# KiCad board led_mapper_850.kicad_pcb (continued)
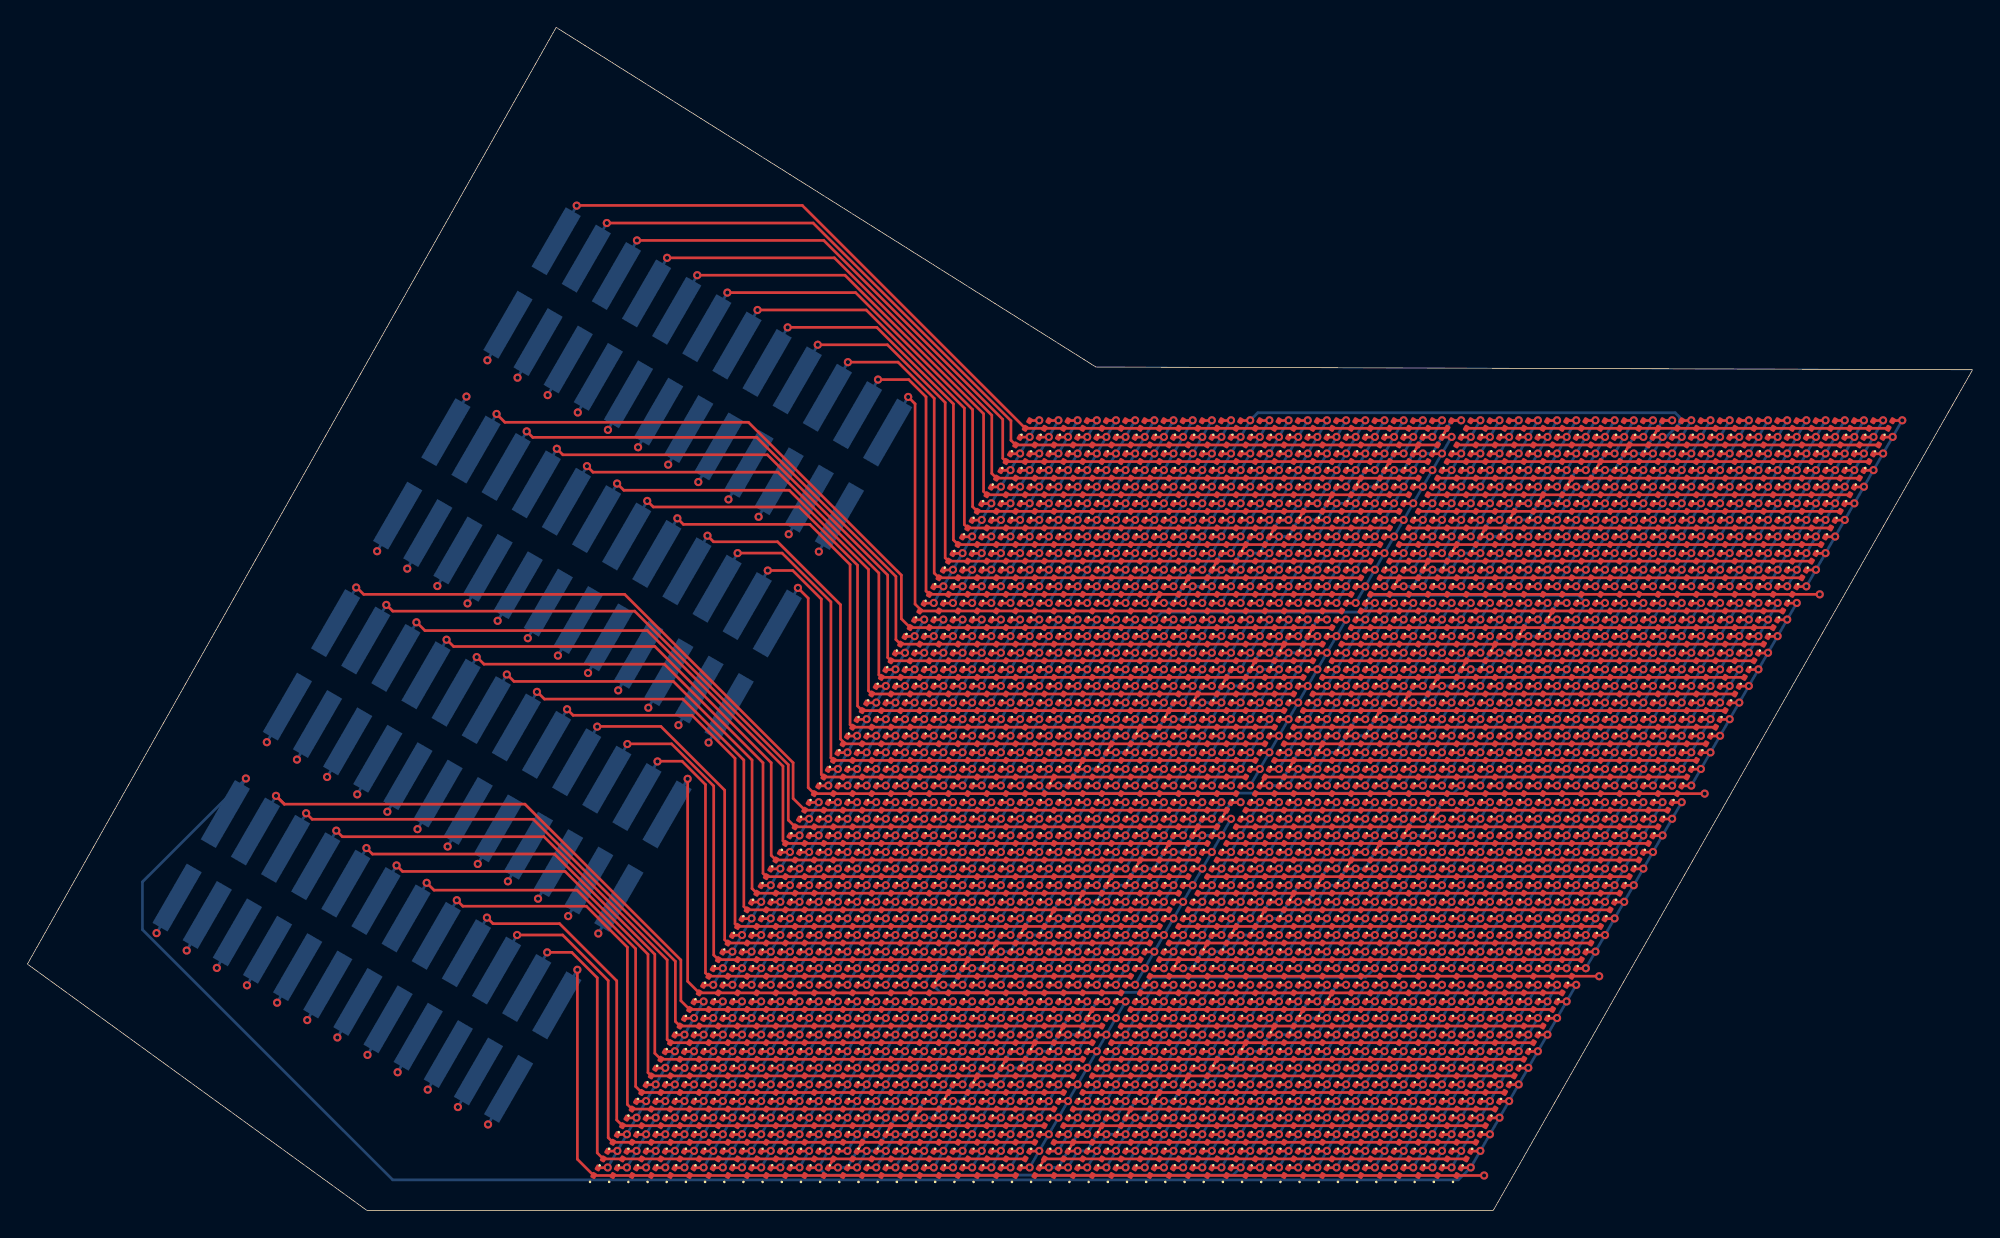
[diagram p0: board, top side]
## Routing (per net, layer and track width the routed paths; a pad name or vN(x,y) marks a point on that pad's centre or on a via; arc(x,y) is an arc through that point) (continued)
/network3/P09: length 157.4
  Top w0.2: D1136.2 v1(100.46,28.61) ; D1457.2 v1(94.16,20.12) ; D1182.2 v1(99.76,27.4) ; D1411.2 v1(94.86,21.34) ; D1090.2 v1(101.16,29.82) ; D1389.2 v1(64.06,21.34) ; D1251.2 v1(66.16,24.97) ; D1297.2 v1(65.46,23.76) ; D1205.2 v1(66.86,26.19) ; D1159.2 v1(67.56,27.4) ; D1527.2 v1(61.96,17.7) ; D1435.2 v1(63.36,20.12) ; D1573.2 v1(61.26,16.49) ; D1067.2 v1(68.96,29.82) ; D1365.2 v1(95.56,22.55) ; D1481.2 v1(62.66,18.91) ; D1549.2 v1(92.76,17.7) ; D1343.2 v1(64.76,22.55) ; D1220.1 D1242.1 ; D1113.2 v1(68.26,28.61) ; D1503.2 v1(93.46,18.91) ; v1(96.96,24.97) D1273.2 D1227.1 ; D1319.2 v1(96.26,23.76)
  In1.Cu w0.2: v1(94.16,20.12) 93.81,20.73 63.71,20.73 v1(63.36,20.12) ; v1(24.08,30.4) 50.68,30.4 55.81,25.26 55.81,24.5 56.51,23.8 56.51,23.53 57.17,22.88 57.17,22.37 57.74,21.8 57.74,21.29 58.55,20.47 58.55,19.6 59.2,18.95 59.2,18.8 60.01,17.98 60.01,17.47 61,16.49 v1(61.26,16.49)
  Bottom w0.2: J3.9 v1(24.08,30.4) ; v1(101.16,29.82) v1(99.76,27.4) 99.06,27.4 97.66,24.97 v1(96.96,24.97) v1(92.76,17.7) ; v1(68.96,29.82) v1(61.26,16.49)
/network3/P10: length 161.7
  Top w0.2: D1274.2 v1(98.36,24.97) ; D1458.2 v1(95.56,20.12) ; D1174.1 D1196.1 ; D1068.2 v1(70.36,29.82) ; D1528.2 v1(63.36,17.7) ; D1298.2 v1(66.86,23.76) ; D1114.2 v1(69.66,28.61) ; D1160.2 v1(68.96,27.4) ; D1482.2 v1(64.06,18.91) ; D1366.2 v1(96.96,22.55) ; D1390.2 v1(65.46,21.34) ; v1(99.06,26.19) D1228.2 D1182.1 ; D1504.2 v1(94.86,18.91) ; D1550.2 v1(94.16,17.7) ; D1412.2 v1(96.26,21.34) ; D1206.2 v1(68.26,26.19) ; D1344.2 v1(66.16,22.55) ; D1091.2 v1(102.56,29.82) ; D1137.2 v1(101.86,28.61) ; D1436.2 v1(64.76,20.12) ; D1252.2 v1(67.56,24.97) ; D1574.2 v1(62.66,16.49) ; D1320.2 v1(97.66,23.76)
  In1.Cu w0.2: v1(64.06,18.91) 64.41,19.52 94.51,19.52 v1(94.86,18.91) ; v1(21.88,31.67) 22.6,30.95 51.8,30.95 56.21,26.53 56.21,25.96 57,25.17 57,24.96 57.82,24.14 57.82,23.62 58.61,22.83 58.61,22.26 59.31,21.56 59.31,21.05 60.01,20.35 60.01,19.84 60.71,19.14 60.71,18.68 61.4,18 61.4,17.49 62.4,16.49 v1(62.66,16.49)
  Bottom w0.2: v1(94.16,17.7) v1(99.06,26.19) 99.76,26.19 101.16,28.61 v1(101.86,28.61) v1(102.56,29.82) ; v1(70.36,29.82) v1(62.66,16.49) ; J3.10 v1(21.88,31.67)
/network3/P11: length 166.3
  Top w0.2: D1128.1 D1150.1 ; D1529.2 v1(64.76,17.7) ; D1551.2 v1(95.56,17.7) ; D1459.2 v1(96.96,20.12) ; D1575.2 v1(64.06,16.49) ; v1(101.16,27.4) D1183.2 D1137.1 ; D1483.2 v1(65.46,18.91) ; D1092.2 v1(103.96,29.82) ; D1115.2 v1(71.06,28.61) ; D1505.2 v1(96.26,18.91) ; D1437.2 v1(66.16,20.12) ; D1207.2 v1(69.66,26.19) ; D1253.2 v1(68.96,24.97) ; D1367.2 v1(98.36,22.55) ; D1275.2 v1(99.76,24.97) ; D1413.2 v1(97.66,21.34) ; D1345.2 v1(67.56,22.55) ; D1321.2 v1(99.06,23.76) ; D1391.2 v1(66.86,21.34) ; D1161.2 v1(70.36,27.4) ; D1299.2 v1(68.26,23.76) ; D1229.2 v1(100.46,26.19) ; D1069.2 v1(71.76,29.82)
  In1.Cu w0.2: v1(64.76,17.7) 65.11,18.3 95.21,18.3 v1(95.56,17.7) ; 19.62,32.93 20.35,32.2 21.64,32.2 21.65,32.22 22.11,32.22 22.12,32.2 52.63,32.2 57.21,27.62 57.21,26.81 57.8,26.23 57.8,26.02 58.61,25.2 58.61,24.75 59.05,24.31 59.05,23.57 60.01,22.6 60.01,22.1 60.71,21.4 60.71,21.11 61.4,20.42 61.4,19.55 61.81,19.14 61.81,18.63 62.6,17.84 62.6,17.69 63.8,16.49 v1(64.06,16.49)
  Bottom w0.2: J3.11 v1(19.68,32.94) ; v1(71.76,29.82) v1(64.06,16.49) ; v1(103.96,29.82) 103.26,29.82 101.86,27.4 v1(101.16,27.4) v1(95.56,17.7)
/network3/P12: length 168
  Top w0.2: D1300.2 v1(69.66,23.76) ; D1438.2 v1(67.56,20.12) ; D1346.2 v1(68.96,22.55) ; D1552.2 v1(96.96,17.7) ; D1368.2 v1(99.76,22.55) ; D1208.2 v1(71.06,26.19) ; D1254.2 v1(70.36,24.97) ; D1230.2 v1(101.86,26.19) ; D1576.2 v1(65.46,16.49) ; D1276.2 v1(101.16,24.97) ; D1506.2 v1(97.66,18.91) ; D1484.2 v1(66.86,18.91) ; D1392.2 v1(68.26,21.34) ; D1070.2 v1(73.16,29.82) ; D1082.1 D1104.1 ; D1184.2 v1(102.56,27.4) ; v1(103.26,28.61) D1138.2 D1092.1 ; D1530.2 v1(66.16,17.7) ; D1116.2 v1(72.46,28.61) ; D1322.2 v1(100.46,23.76) ; D1460.2 v1(98.36,20.12) ; D1162.2 v1(71.76,27.4) ; D1414.2 v1(99.06,21.34)
  In1.Cu w0.2: v1(65.46,16.49) 65.11,16.49 63.91,17.69 63.91,17.93 63.35,18.49 63.35,19.06 62.51,19.9 62.51,20.35 61.81,21.05 61.81,21.56 61.41,21.96 61.41,22.48 60.41,23.48 60.41,23.99 59.71,24.69 59.71,25.2 59.01,25.9 59.01,26.41 58.31,27.11 58.31,27.63 57.61,28.33 57.61,29.2 53.32,33.49 18.2,33.49 v1(17.48,34.21) ; v1(96.96,17.7) 96.61,17.09 66.51,17.09 v1(66.16,17.7)
  Bottom w0.2: J3.12 v1(17.48,34.21) ; v1(103.26,28.61) v1(96.96,17.7) ; v1(73.16,29.82) v1(65.46,16.49)
/network3/P13: length 155.5
  Top w0.2: D1163.2 v1(73.16,27.4) ; D1507.2 v1(99.06,18.91) ; D1531.2 v1(67.56,17.7) ; D1415.2 v1(100.46,21.34) ; D1231.2 v1(103.26,26.19) ; D1461.2 v1(99.76,20.12) ; D1117.2 v1(73.86,28.61) ; D1071.2 v1(74.56,29.82) ; D1323.2 v1(101.86,23.76) ; D1277.2 v1(102.56,24.97) ; D1553.2 v1(98.36,17.7) ; D1485.2 v1(68.26,18.91) ; D1439.2 v1(68.96,20.12) ; D1093.2 v1(105.36,29.82) ; D1393.2 v1(69.66,21.34) ; D1369.2 v1(101.16,22.55) ; D1185.2 v1(103.96,27.4) ; D1347.2 v1(70.36,22.55) ; D1587.1 D1565.1 48.2,16.74 48.2,31.55 ; D1139.2 v1(104.66,28.61) ; D1301.2 v1(71.06,23.76) ; D1209.2 v1(72.46,26.19) ; D1255.2 v1(71.76,24.97)
  In2.Cu w0.2: v1(74.56,29.82) 74.01,30.37 49.35,30.37 v1(48.2,31.53)
  Bottom w0.2: J3.13 v1(48.2,31.53) ; v1(105.36,29.82) v1(98.36,17.7) 97.7,17.04 82.04,17.04 81.71,16.71 81.71,16.56 81.09,15.94 66.64,15.94 66.31,16.26 66.31,16.71 67.3,17.7 v1(67.56,17.7) v1(74.56,29.82)
/network3/P14: length 130.7
  Top w0.2: D1508.2 v1(100.46,18.91) ; D1554.2 v1(99.76,17.7) ; D1256.2 v1(73.16,24.97) ; D1541.1 D1519.1 49.5,17.35 49.5,31.11 47.79,32.82 46,32.82 ; D1140.2 v1(106.06,28.61) ; D1394.2 v1(71.06,21.34) ; D1486.2 v1(69.66,18.91) ; D1348.2 v1(71.76,22.55) ; D1186.2 v1(105.36,27.4) ; D1440.2 v1(70.36,20.12) ; D1324.2 v1(103.26,23.76) ; D1370.2 v1(102.56,22.55) ; v1(66.86,16.49) D1577.2 D1531.1 ; D1094.2 v1(106.76,29.82) ; D1118.2 v1(75.26,28.61) ; D1302.2 v1(72.46,23.76) ; D1164.2 v1(74.56,27.4) ; D1278.2 v1(103.96,24.97) ; D1232.2 v1(104.66,26.19) ; D1416.2 v1(101.86,21.34) ; D1462.2 v1(101.16,20.12) ; D1072.2 v1(75.96,29.82) ; D1210.2 v1(73.86,26.19)
  In2.Cu w0.2: v1(75.26,28.61) 75.61,29.22 105.71,29.22 v1(106.06,28.61)
  Bottom w0.2: v1(75.96,29.82) v1(69.66,18.91) 68.96,18.91 67.56,16.49 v1(66.86,16.49) ; J3.14 v1(46,32.8) ; v1(106.76,29.82) v1(99.76,17.7)
/network3/P15: length 132.8
  Top w0.2: D1279.2 v1(105.36,24.97) ; D1371.2 v1(103.96,22.55) ; D1555.2 v1(101.16,17.7) ; D1073.2 v1(77.36,29.82) ; D1211.2 v1(75.26,26.19) ; D1233.2 v1(106.06,26.19) ; D1325.2 v1(104.66,23.76) ; D1395.2 v1(72.46,21.34) ; D1119.2 v1(76.66,28.61) ; D1486.1 D1532.2 v1(68.96,17.7) ; D1495.1 D1473.1 50.1,18.67 50.1,31.01 47.02,34.09 43.8,34.09 ; D1165.2 v1(75.96,27.4) ; D1441.2 v1(71.76,20.12) ; D1187.2 v1(106.76,27.4) ; D1257.2 v1(74.56,24.97) ; D1417.2 v1(103.26,21.34) ; D1141.2 v1(107.46,28.61) ; D1349.2 v1(73.16,22.55) ; D1095.2 v1(108.16,29.82) ; D1578.2 v1(68.26,16.49) ; D1509.2 v1(101.86,18.91) ; D1463.2 v1(102.56,20.12) ; D1303.2 v1(73.86,23.76)
  In2.Cu w0.2: v1(106.76,27.4) 106.41,28 76.31,28 v1(75.96,27.4)
  Bottom w0.2: v1(108.16,29.82) v1(101.16,17.7) ; J3.15 v1(43.8,34.07) ; v1(77.36,29.82) v1(71.76,20.12) 71.06,20.12 69.66,17.7 v1(68.96,17.7) v1(68.26,16.49)
/network3/P16: length 134.9
  Top w0.2: D1304.2 v1(75.26,23.76) ; D1396.2 v1(73.86,21.34) ; D1449.1 D1427.1 50.9,19.78 50.9,30.7 46.24,35.36 41.6,35.36 ; D1579.2 v1(69.66,16.49) ; D1350.2 v1(74.56,22.55) ; D1096.2 v1(109.56,29.82) ; D1510.2 v1(103.26,18.91) ; D1533.2 v1(70.36,17.7) ; D1556.2 v1(102.56,17.7) ; D1074.2 v1(78.76,29.82) ; D1258.2 v1(75.96,24.97) ; D1188.2 v1(108.16,27.4) ; D1418.2 v1(104.66,21.34) ; D1464.2 v1(103.96,20.12) ; D1120.2 v1(78.06,28.61) ; D1280.2 v1(106.76,24.97) ; v1(71.06,18.91) D1487.2 D1441.1 ; D1212.2 v1(76.66,26.19) ; D1372.2 v1(105.36,22.55) ; D1234.2 v1(107.46,26.19) ; D1326.2 v1(106.06,23.76) ; D1166.2 v1(77.36,27.4) ; D1142.2 v1(108.86,28.61)
  In2.Cu w0.2: v1(107.46,26.19) 107.11,26.79 77.01,26.79 v1(76.66,26.19)
  Bottom w0.2: v1(69.66,16.49) v1(71.06,18.91) 71.76,18.91 73.16,21.34 v1(73.86,21.34) v1(78.76,29.82) ; v1(109.56,29.82) v1(102.56,17.7) ; J3.16 v1(41.6,35.34)
/network3/P17: length 138.5
  Top w0.2: D1403.1 D1381.1 51.66,20.93 51.66,33.03 48.51,36.17 39.84,36.17 v1(39.4,36.61) ; D1419.2 v1(106.06,21.34) ; D1580.2 v1(71.06,16.49) ; D1167.2 v1(78.76,27.4) ; D1396.1 D1442.2 v1(73.16,20.12) ; D1143.2 v1(110.26,28.61) ; D1305.2 v1(76.66,23.76) ; D1075.2 v1(80.16,29.82) ; D1213.2 v1(78.06,26.19) ; D1235.2 v1(108.86,26.19) ; D1121.2 v1(79.46,28.61) ; D1259.2 v1(77.36,24.97) ; D1511.2 v1(104.66,18.91) ; D1351.2 v1(75.96,22.55) ; D1097.2 v1(110.96,29.82) ; D1488.2 v1(72.46,18.91) ; D1534.2 v1(71.76,17.7) ; D1327.2 v1(107.46,23.76) ; D1373.2 v1(106.76,22.55) ; D1189.2 v1(109.56,27.4) ; D1465.2 v1(105.36,20.12) ; D1557.2 v1(103.96,17.7) ; D1281.2 v1(108.16,24.97)
  In2.Cu w0.2: v1(108.16,24.97) 107.81,25.58 77.71,25.58 v1(77.36,24.97)
  Bottom w0.2: v1(110.96,29.82) v1(103.96,17.7) ; J3.17 v1(39.4,36.61) ; v1(71.06,16.49) v1(73.16,20.12) 73.86,20.12 75.26,22.55 v1(75.96,22.55) v1(80.16,29.82)
/network3/P18: length 140.6
  Top w0.2: D1282.2 v1(109.56,24.97) ; D1351.1 D1397.2 v1(75.26,21.34) ; D1374.2 v1(108.16,22.55) ; D1260.2 v1(78.76,24.97) ; D1489.2 v1(73.86,18.91) ; D1558.2 v1(105.36,17.7) ; D1306.2 v1(78.06,23.76) ; D1098.2 v1(112.36,29.82) ; D1122.2 v1(80.86,28.61) ; D1076.2 v1(81.56,29.82) ; D1190.2 v1(110.96,27.4) ; D1236.2 v1(110.26,26.19) ; D1357.1 D1335.1 52.3,22.2 52.3,32.9 47.85,37.35 37.74,37.35 37.2,37.9 ; D1443.2 v1(74.56,20.12) ; D1466.2 v1(106.76,20.12) ; D1168.2 v1(80.16,27.4) ; D1328.2 v1(108.86,23.76) ; D1535.2 v1(73.16,17.7) ; D1581.2 v1(72.46,16.49) ; D1512.2 v1(106.06,18.91) ; D1144.2 v1(111.66,28.61) ; D1214.2 v1(79.46,26.19) ; D1420.2 v1(107.46,21.34)
  In2.Cu w0.2: v1(108.86,23.76) 108.51,23.15 78.41,23.15 v1(78.06,23.76)
  Bottom w0.2: v1(72.46,16.49) v1(75.26,21.34) 75.96,21.34 77.36,23.76 v1(78.06,23.76) v1(81.56,29.82) ; v1(112.36,29.82) v1(105.36,17.7) ; J3.18 v1(37.2,37.88)
/network3/P19: length 142.7
  Top w0.2: D1237.2 v1(111.66,26.19) ; D1444.2 v1(75.96,20.12) ; D1145.2 v1(113.06,28.61) ; D1421.2 v1(108.86,21.34) ; D1329.2 v1(110.26,23.76) ; D1536.2 v1(74.56,17.7) ; D1513.2 v1(107.46,18.91) ; D1215.2 v1(80.86,26.19) ; D1123.2 v1(82.26,28.61) ; D1559.2 v1(106.76,17.7) ; D1467.2 v1(108.16,20.12) ; D1582.2 v1(73.86,16.49) ; D1077.2 v1(82.96,29.82) ; 35,39.17 35.52,38.64 47.16,38.64 52.9,32.9 52.9,23.52 D1289.1 D1311.1 ; D1375.2 v1(109.56,22.55) ; D1261.2 v1(80.16,24.97) ; D1398.2 v1(76.66,21.34) ; D1099.2 v1(113.76,29.82) ; D1191.2 v1(112.36,27.4) ; v1(77.36,22.55) D1352.2 D1306.1 ; D1169.2 v1(81.56,27.4) ; D1490.2 v1(75.26,18.91) ; D1283.2 v1(110.96,24.97)
  In2.Cu w0.2: v1(80.16,24.97) 80.51,24.37 110.61,24.37 v1(110.96,24.97)
  Bottom w0.2: J3.19 v1(35,39.15) ; v1(113.76,29.82) v1(106.76,17.7) ; v1(73.86,16.49) v1(77.36,22.55) 78.06,22.55 79.46,24.97 v1(80.16,24.97) v1(82.96,29.82)
/network3/P20: length 146.3
  Top w0.2: D1560.2 v1(108.16,17.7) ; v1(79.46,23.76) D1307.2 D1261.1 ; D1514.2 v1(108.86,18.91) ; D1238.2 v1(113.06,26.19) ; D1192.2 v1(113.76,27.4) ; D1353.2 v1(78.76,22.55) ; D1284.2 v1(112.36,24.97) ; D1330.2 v1(111.66,23.76) ; D1422.2 v1(110.26,21.34) ; D1491.2 v1(76.66,18.91) ; D1100.2 v1(115.16,29.82) ; D1216.2 v1(82.26,26.19) ; D1146.2 v1(114.46,28.61) ; D1583.2 v1(75.26,16.49) ; D1078.2 v1(84.36,29.82) ; D1445.2 v1(77.36,20.12) ; D1376.2 v1(110.96,22.55) ; D1265.1 D1243.1 53.7,24.63 53.7,32.7 46.5,39.9 33.33,39.9 32.8,40.44 ; D1537.2 v1(75.96,17.7) ; D1399.2 v1(78.06,21.34) ; D1124.2 v1(83.66,28.61) ; D1170.2 v1(82.96,27.4) ; D1468.2 v1(109.56,20.12)
  In2.Cu w0.2: v1(110.96,22.55) 110.61,21.94 79.11,21.94 v1(78.76,22.55)
  Bottom w0.2: v1(84.36,29.82) v1(82.26,26.19) 81.56,26.19 80.16,23.76 v1(79.46,23.76) v1(75.26,16.49) ; v1(115.16,29.82) v1(108.16,17.7) ; J3.20 v1(32.8,40.42)
/network3/P21: length 148.5
  Top w0.2: D1285.2 v1(113.76,24.97) ; D1377.2 v1(112.36,22.55) ; D1584.2 v1(76.66,16.49) ; D1193.2 v1(115.16,27.4) ; D1147.2 v1(115.86,28.61) ; D1423.2 v1(111.66,21.34) ; D1446.2 v1(78.76,20.12) ; D1515.2 v1(110.26,18.91) ; D1538.2 v1(77.36,17.7) ; v1(81.56,24.97) D1262.2 D1216.1 ; D1469.2 v1(110.96,20.12) ; D1400.2 v1(79.46,21.34) ; D1079.2 v1(85.76,29.82) ; D1492.2 v1(78.06,18.91) ; D1331.2 v1(113.06,23.76) ; 30.6,41.71 31.11,41.19 45.81,41.19 54.3,32.7 54.3,25.94 D1197.1 D1219.1 ; D1101.2 v1(116.56,29.82) ; D1125.2 v1(85.06,28.61) ; D1354.2 v1(80.16,22.55) ; D1239.2 v1(114.46,26.19) ; D1561.2 v1(109.56,17.7) ; D1171.2 v1(84.36,27.4) ; D1308.2 v1(80.86,23.76)
  In2.Cu w0.2: v1(111.66,21.34) 111.31,20.73 79.81,20.73 v1(79.46,21.34)
  Bottom w0.2: v1(85.76,29.82) v1(84.36,27.4) 83.66,27.4 82.26,24.97 v1(81.56,24.97) v1(76.66,16.49) ; v1(116.56,29.82) v1(109.56,17.7) ; J3.21 v1(30.6,41.69)
/network3/P22: length 150.6
  Top w0.2: D1401.2 v1(80.86,21.34) ; 28.4,42.98 29.02,42.35 45.26,42.35 55.16,32.45 55.16,26.99 D1151.1 D1173.1 ; D1355.2 v1(81.56,22.55) ; D1194.2 v1(116.56,27.4) ; D1424.2 v1(113.06,21.34) ; D1447.2 v1(80.16,20.12) ; D1126.2 v1(86.46,28.61) ; D1309.2 v1(82.26,23.76) ; D1332.2 v1(114.46,23.76) ; D1585.2 v1(78.06,16.49) ; D1171.1 D1217.2 v1(83.66,26.19) ; D1240.2 v1(115.86,26.19) ; D1493.2 v1(79.46,18.91) ; D1562.2 v1(110.96,17.7) ; D1148.2 v1(117.26,28.61) ; D1286.2 v1(115.16,24.97) ; D1263.2 v1(82.96,24.97) ; D1470.2 v1(112.36,20.12) ; D1080.2 v1(87.16,29.82) ; D1378.2 v1(113.76,22.55) ; D1102.2 v1(117.96,29.82) ; D1516.2 v1(111.66,18.91) ; D1539.2 v1(78.76,17.7)
  In2.Cu w0.2: v1(80.16,20.12) 80.51,19.52 112.01,19.52 v1(112.36,20.12)
  Bottom w0.2: v1(117.96,29.82) v1(110.96,17.7) ; v1(78.06,16.49) v1(83.66,26.19) 84.36,26.19 85.76,28.61 v1(86.46,28.61) v1(87.16,29.82) ; J3.22 v1(28.4,42.96)
/network3/P23: length 152.7
  Top w0.2: D1127.1 D1105.1 55.55,28.52 55.55,32.56 44.33,43.77 26.67,43.77 26.2,44.25 ; D1586.2 v1(79.46,16.49) ; D1241.2 v1(117.26,26.19) ; D1195.2 v1(117.96,27.4) ; D1379.2 v1(115.16,22.55) ; D1517.2 v1(113.06,18.91) ; D1149.2 v1(118.66,28.61) ; v1(85.76,27.4) D1172.2 D1126.1 ; D1310.2 v1(83.66,23.76) ; D1103.2 v1(119.36,29.82) ; D1448.2 v1(81.56,20.12) ; D1218.2 v1(85.06,26.19) ; D1563.2 v1(112.36,17.7) ; D1356.2 v1(82.96,22.55) ; D1081.2 v1(88.56,29.82) ; D1540.2 v1(80.16,17.7) ; D1287.2 v1(116.56,24.97) ; D1425.2 v1(114.46,21.34) ; D1333.2 v1(115.86,23.76) ; D1402.2 v1(82.26,21.34) ; D1471.2 v1(113.76,20.12) ; D1264.2 v1(84.36,24.97) ; D1494.2 v1(80.86,18.91)
  In2.Cu w0.2: v1(113.06,18.91) 112.71,18.3 81.21,18.3 v1(80.86,18.91)
  Bottom w0.2: v1(79.46,16.49) v1(85.76,27.4) 86.46,27.4 87.86,29.82 v1(88.56,29.82) ; J3.23 v1(26.2,44.23) ; v1(119.36,29.82) v1(112.36,17.7)
/network3/P24: length 152
  Top w0.2: D1380.2 v1(116.56,22.55) ; D1472.2 v1(115.16,20.12) ; D1587.2 v1(80.86,16.49) ; D1265.2 v1(85.76,24.97) ; D1334.2 v1(117.26,23.76) ; D1104.2 v1(120.76,29.82) ; D1403.2 v1(83.66,21.34) ; D1196.2 v1(119.36,27.4) ; D1288.2 v1(117.96,24.97) ; D1495.2 v1(82.26,18.91) ; D1150.2 v1(120.06,28.61) ; D1242.2 v1(118.66,26.19) ; D1059.1 D1081.1 D1127.2 v1(87.86,28.61) ; D1219.2 v1(86.46,26.19) ; D1449.2 v1(82.96,20.12) ; D1357.2 v1(84.36,22.55) ; D1426.2 v1(115.86,21.34) ; 24.02,45.53 24.55,45 43.6,45 55.9,32.7 55.9,30.1 56.74,29.26 ; D1564.2 v1(113.76,17.7) ; D1541.2 v1(81.56,17.7) ; D1311.2 v1(85.06,23.76) ; D1173.2 v1(87.16,27.4) ; D1518.2 v1(114.46,18.91)
  In2.Cu w0.2: v1(113.76,17.7) 113.41,17.09 81.91,17.09 v1(81.56,17.7)
  Bottom w0.2: J3.24 v1(24,45.5) ; v1(87.86,28.61) v1(80.86,16.49) ; v1(120.76,29.82) v1(113.76,17.7)
/network4/P01: length 200.6
  Top w0.2: D1772.2 v1(108.16,8) ; D1841.2 v1(76.66,9.21) ; D2002.2 v1(111.66,14.06) ; D1611.2 v1(73.16,3.15) ; D1979.2 v1(78.76,12.85) ; D1818.2 v1(108.86,9.21) ; D1634.2 v1(106.06,4.36) ; D2048.2 v1(112.36,15.27) ; D1956.2 v1(110.96,12.85) ; D1749.2 v1(75.26,6.79) ; D1703.2 v1(74.56,5.57) ; D1795.2 v1(75.96,8) ; D1657.2 v1(73.86,4.36) ; D2071.2 v1(80.16,15.27) ; D1910.2 v1(110.26,11.64) ; D1864.2 v1(109.56,10.42) ; D1680.2 v1(106.76,5.57) ; D2025.2 v1(79.46,14.06) ; D1588.2 v1(105.36,3.15) ; D2094.2 v1(113.06,16.49) ; D1933.2 v1(78.06,11.64) ; D1887.2 v1(77.36,10.42) ; D1726.2 v1(107.46,6.79)
  In2.Cu w0.2: v1(73.16,3.15) 73.51,2.54 105.01,2.54 v1(105.36,3.15)
  Bottom w0.2: v1(73.16,3.15) v1(80.16,15.27) ; 14.45,28.96 v1(15.95,31.56) 8.4,24.01 8.4,20.51 26.66,2.25 104.46,2.25 v1(105.36,3.15) v1(113.06,16.49)
/network4/P02: length 150.2
  Top w0.2: v1(78.06,14.06) D2026.2 D2072.1 ; v1(18.15,30.29) 18.76,29.68 36.32,29.68 47.7,18.3 47.7,15.32 D2093.1 D2071.1 ; 18.15,30.29 18.76,29.68 ; D1888.2 v1(75.96,10.42) ; D1704.2 v1(73.16,5.57) ; D1819.2 v1(107.46,9.21) ; D1957.2 v1(109.56,12.85) ; D1842.2 v1(75.26,9.21) ; D1865.2 v1(108.16,10.42) ; D1635.2 v1(104.66,4.36) ; D1612.2 v1(71.76,3.15) ; D1911.2 v1(108.86,11.64) ; D1796.2 v1(74.56,8) ; D1681.2 v1(105.36,5.57) ; D1750.2 v1(73.86,6.79) ; D2049.2 v1(110.96,15.27) ; D1773.2 v1(106.76,8) ; D1934.2 v1(76.66,11.64) ; D1980.2 v1(77.36,12.85) ; D1727.2 v1(106.06,6.79) ; D2003.2 v1(110.26,14.06) ; D1589.2 v1(103.96,3.15) ; D2095.2 v1(111.66,16.49) ; D1658.2 v1(72.46,4.36)
  In2.Cu w0.2: v1(104.66,4.36) 104.31,3.76 72.81,3.76 v1(72.46,4.36)
  Bottom w0.2: 16.65,27.69 v1(18.15,30.29) ; v1(103.96,3.15) v1(111.66,16.49) ; v1(71.76,3.15) v1(78.06,14.06)
/network4/P03: length 150.1
  Top w0.2: D1889.2 v1(74.56,10.42) ; D1958.2 v1(108.16,12.85) ; D2096.2 v1(110.26,16.49) ; D2027.1 D1981.2 v1(75.96,12.85) ; D2050.2 v1(109.56,15.27) ; D1659.2 v1(71.06,4.36) ; D1636.2 v1(103.26,4.36) ; D1843.2 v1(73.86,9.21) ; D1705.2 v1(71.76,5.57) ; D1682.2 v1(103.96,5.57) ; D1866.2 v1(106.76,10.42) ; D2025.1 D2047.1 47.3,13.81 47.3,18.2 36.93,28.58 20.79,28.58 v1(20.35,29.02) ; D1820.2 v1(106.06,9.21) ; D1912.2 v1(107.46,11.64) ; D1613.2 v1(70.36,3.15) ; D2004.2 v1(108.86,14.06) ; D2072.2 v1(78.76,15.27) ; D1590.2 v1(102.56,3.15) ; D1774.2 v1(105.36,8) ; D1935.2 v1(75.26,11.64) ; D1728.2 v1(104.66,6.79) ; D1797.2 v1(73.16,8) ; D1751.2 v1(72.46,6.79)
  In2.Cu w0.2: v1(103.96,5.57) 103.61,4.97 72.11,4.97 v1(71.76,5.57)
  Bottom w0.2: v1(78.76,15.27) 78.06,15.27 76.66,12.85 v1(75.96,12.85) v1(70.36,3.15) ; 18.85,26.42 v1(20.35,29.02) ; v1(102.56,3.15) v1(110.26,16.49)
/network4/P04: length 148
  Top w0.2: D2073.2 v1(77.36,15.27) ; D1979.1 D2001.1 46.7,12.5 46.7,18.31 37.7,27.31 22.99,27.31 v1(22.55,27.75) ; D1798.2 v1(71.76,8) ; D1775.2 v1(103.96,8) ; D1867.2 v1(105.36,10.42) ; D2027.2 v1(76.66,14.06) ; D1660.2 v1(69.66,4.36) ; D1913.2 v1(106.06,11.64) ; D2051.2 v1(108.16,15.27) ; D1844.2 v1(72.46,9.21) ; 22.55,27.75 22.58,27.72 ; D1821.2 v1(104.66,9.21) ; D1729.2 v1(103.26,6.79) ; D1890.2 v1(73.16,10.42) ; D1752.2 v1(71.06,6.79) ; v1(73.86,11.64) D1936.2 D1982.1 ; D2005.2 v1(107.46,14.06) ; D1637.2 v1(101.86,4.36) ; D1614.2 v1(68.96,3.15) ; D1591.2 v1(101.16,3.15) ; D1959.2 v1(106.76,12.85) ; D1706.2 v1(70.36,5.57) ; D2097.2 v1(108.86,16.49) ; D1683.2 v1(102.56,5.57)
  In2.Cu w0.2: v1(71.06,6.79) 71.41,6.18 102.91,6.18 v1(103.26,6.79)
  Bottom w0.2: v1(77.36,15.27) v1(76.66,14.06) 75.96,14.06 74.56,11.64 v1(73.86,11.64) v1(68.96,3.15) ; J4.4 v1(22.55,27.75) ; v1(101.16,3.15) v1(108.86,16.49)